# Altium PCB Board.PcbDoc (part 3 of 8) (continued)
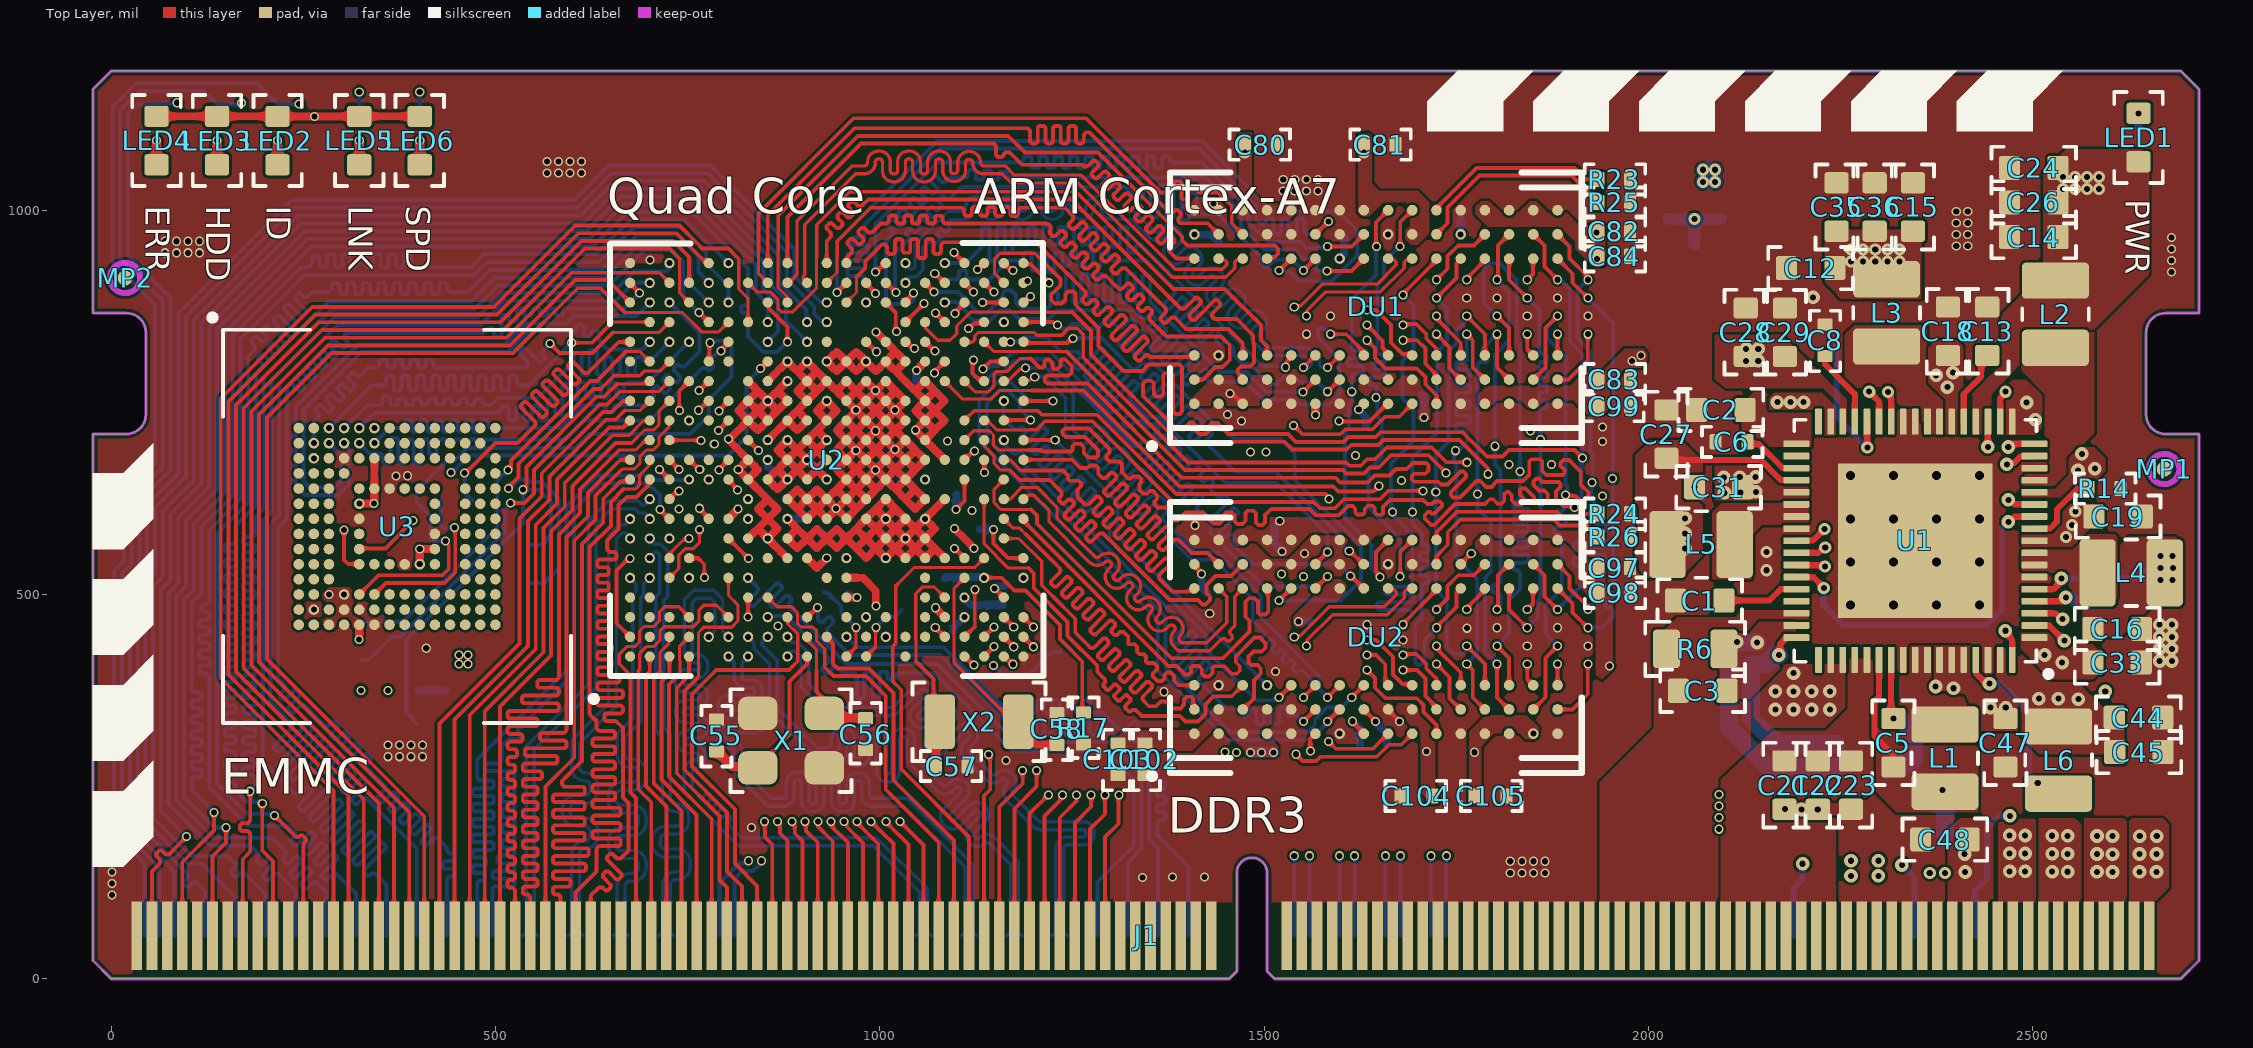
[diagram p0: Top Layer view]
## Nets (pads, with @x,y where several pads share a name; then routed paths per layer and width w, separated by ;. In a path a pad name is that pad's centre, name@x,y a point inside that pad or via, vN(x,y) a via of type N, cw(c..) or ccw(c..) an arc to the next point about the centre after c; other vN are vias at no path point) (continued)
  Bottom Layer w15.75: v2(2543.31,496.06) 2543.68,495.69 2550.77,495.69 2558.27,488.19 C20.1@2570.87,488.19
NetC53_2: C53.2 U2.H11 | length 13.9
  Bottom Layer w10: v1(854.33,675.2) 854.68,674.85 854.68,666.26 857.55,663.39 C53.2@858.27,663.39
NetC55_1: C55.1 U2.K1 X1.2 | length 233.3
  Top Layer w5: X1.2@846.48,281.28 882.6,317.41 882.6,386.54 905.51,409.45 U2.K1@905.51,419.29
  Top Layer w11.81: C55.1@787.4,297.68 787.4,296.91 808.33,275.98 813.38,275.98 813.54,275.82 840.99,275.82 X1.2@846.46,281.28
NetC56_1: C56.1 U2.K2 X1.1 | length 162.7
  Top Layer w4: U2.K2@905.51,444.88 905.51,440.28 917.7,428.09 917.7,401.19 917.54,401.03
  Top Layer w4.99: 917.54,373.8 917.54,401.03
  Top Layer w5: 917.54,373.8 928.47,362.87 X1.1@928.47,348.85
  Top Layer w11.81: X1.1@928.47,348.85 937.53,339.8 C56.1@981.71,339.8
NetC57_1: C57.1 U2.U4 X2.2 | length 280.3
  Top Layer w4: 1047.03,412.97 1047.03,439.66 1046.86,439.83 1046.86,501.11 1055.21,509.46 1071.25,509.46 U2.U4@1084.65,496.06
  Top Layer w5: 1047.03,412.97 1070,390 1070,342.45 X2.2@1078.03,334.42
  Top Layer w10: C57.1@1073.16,280.55 X2.2@1073.16,334.42
NetC58_1: C58.1 U2.V5 X2.1 | length 293.9
  Top Layer w4: 1098.06,409.81 1096.84,411.04 1096.84,508.26 U2.V5@1110.24,521.65
  Top Layer w5: 1098.06,409.81 X2.1@1173.54,334.34
  Top Layer w10: X2.1@1173.54,334.34 1203.46,304.42 C58.1@1230.43,304.42
NetC61_1: C61.1 C62.1 U2.V4 | length 55.8
  Bottom Layer w10: v1(1110.24,496.06) 1110.73,496.06 1110.58,495.92 1110.58,495.23 1110.73,495.08 1110.73,493.97 1118.89,485.81 1128.62,485.81 C61.1@1128.88,485.55 1129.86,486.53 1159.18,486.53 C62.1@1159.72,485.99
NetC63_1: C63.1 U2.Y4 | length 36
  Top Layer w5: v1(1149.42,507.86) 1149.52,507.86 1161.32,496.06 U2.Y4@1161.42,496.06
  Bottom Layer w10: v1@1150.23,508.68 v1(1149.42,507.86) 1149.91,507.86 1152.83,510.79 1162.13,510.79 C63.1@1165,513.66
NetC64_1: C64.1 R17.1 U2.W5 | length 302.4
  Top Layer w5: v1(1135.83,521.65) 1158.3,521.65 1174.96,505 1189.52,505 1234.41,460.11 1234.41,442.03 1263.54,412.9 R17.1@1263.54,346.34
  Bottom Layer w10: C64.1@1084.46,520.92 1086.17,522.62 1134.37,522.62 1135.34,521.65 v1(1135.83,521.65)
NetC71_2: C71.2 U3.C2
  other v1: 263.78,677.16
NetDU1_L8: DU1.L8 R25.2 | length 268.7
  Top Layer w5: DU1.L8@1724.41,968.5 1738.8,982.9 1738.8,1003.25 1780.55,1045 1900,1045 R25.2@1935,1010
NetDU1_L9: DU1.L9 R23.2 | length 241.3
  Top Layer w5: DU1.L9@1724.41,1000 1724.41,1003 1776.41,1055 1904.14,1055 1919.14,1040 R23.2@1935,1040
NetDU2_L8: DU2.L8 R26.2 | length 259.7
  Top Layer w5: DU2.L8@1724.41,539.37 1724.41,550 1739.14,564.73 1739.14,580.86 1755.85,597.56 1877.04,597.56 1885.01,589.59 1920.41,589.59 R26.2@1935,575
NetDU2_L9: DU2.L9 R24.2 | length 237.2
  Top Layer w5: DU2.L9@1724.41,570.87 1724.41,580.95 1751.02,607.56 1881.18,607.56 1889.15,599.59 1913.26,599.59 1918.66,605 R24.2@1935,605
NetL1_2: L1.2 U1.60 U1.61
NetL2_2: L2.2 U1.14
NetL3_2: L3.2 U1.24 U1.25
NetL4_2: L4.2 U1.7 U1.8
NetL5_2: L5.2 U1.40 U1.41
NetL6_2: L6.2 U1.65 | length 204.8
  Top Layer w7.87: U1.65@2426.18,414.96 2426.57,414.57 2426.57,397.05 2438.2,385.43 2442.45,385.43 v2(2443.96,383.92)
  Bottom Layer w7.87: v2(2443.96,383.92) 2459.13,383.92 2495,348.05 2495,266.57 v2(2506.67,254.89)
NetLED1_2: LED1.2 R1.1 | length 19.7
  Bottom Layer w11.81: R1.1@2637.8,1106.3 v3(2637.8,1125.98)
NetLED2_2: LED2.2 R3.1 | length 31.5
  Top Layer w11.81: LED2.2@216.54,1059.06 v1(216.54,1090.55)
NetLED3_2: LED3.2 R4.1 | length 31.5
  Top Layer w11.81: LED3.2@137.79,1059.06 v1(137.8,1090.55)
NetLED4_2: LED4.2 R8.1 | length 31.5
  Top Layer w11.81: LED4.2@59.05,1059.06 v1(59.06,1090.55)
NetLED5_2: LED5.2 R10.2 | length 31.5
  Top Layer w11.81: LED5.2@322.83,1059.06 v1(322.83,1090.55)
NetLED6_2: LED6.2 R12.2 | length 31.5
  Top Layer w11.81: LED6.2@401.57,1059.06 v1(401.57,1090.55)
NetQ1_3: Q1.3 U1.51 | length 275.1
  Top Layer w7.87: v2(2169.82,421.2) 2171.58,422.96 2171.58,435.55 2179.92,443.9 U1.51@2192.52,443.9
  Bottom Layer w23.62: v2(2169.82,421.2) 2165.67,421.2 2153.4,408.93 2133.77,408.93 2133.77,338.67 2167.32,305.12 Q1.3@2244.09,305.12
NetR5_1: R5.1 U1.45 U2.M1 | length 1639.7
  Top Layer w4: 968.63,431.23 968.89,431.48 v1@968.89,456.65
  Top Layer w5.04: U2.M1@956.69,419.29 968.63,431.23 ; v1@968.89,456.65 v1(969.34,457.11)
  Top Layer w7.87: U1.45@2192.52,538.39 2192.91,537.99 2228.2,537.99 v3(2229.67,536.52)
  Int3 (Sign) w5: v1(969.34,457.11) 994.98,431.48 1022.78,431.48 1025,433.69 1106.62,433.69 1133.68,460.76 1133.68,461.68 1143.24,471.24 1224.59,471.24 1440.24,255.59 1870.3,255.59 2094.71,480 2158.28,480 2214.81,536.52 v3(2229.67,536.52)
  Bottom Layer w5: R5.1@927.55,502.38 931.73,502.38 950,484.11 950,476.45 v1(969.34,457.11)
NetR7_1: R7.1 U1.44 U2.N1 | length 1596.4
  Top Layer w4: 994.75,431.76 v1@994.75,456.93
  Top Layer w5.04: U2.N1@982.28,419.29 994.75,431.76 ; v1@994.75,456.93 v1(994.94,457.11)
  Top Layer w7.87: U1.44@2192.52,554.13 2220.92,554.13 2228.11,561.32 v3(2230.24,561.32)
  Int3 (Sign) w5: 1866.15,265.61 2090.54,490 2154.14,490 2225.46,561.32 v3(2230.24,561.32)
  Int3 (Sign) w5.04: v1(994.94,457.11) 996.13,458.31 1013.43,458.31 1028.03,443.71 1101.55,443.71 1114.88,457.05 1115.8,457.05 1123.66,464.91 1123.66,465.83 1139.09,481.26 1228.74,481.26 1444.39,265.61 1866.15,265.61
  Bottom Layer w5.04: v1(994.94,457.11) 1008.73,470.9 1019.79,470.9 R7.1@1028.53,479.64
NetR9_1: R9.1 U1.29 U2.P2 | length 1886.3
  Top Layer w7.87: v3(2287.4,763.78) 2300.2,750.99 U1.29@2300.2,724.8 U1.29@2300.59,724.41
  Int2 (Sign) w5: v1(1007.87,444.88) 1057.76,395 1135.34,395 v1(1148.15,407.82)
  Int3 (Sign) w5: v1(1148.15,407.82) 1160.16,395.81 1285.88,395.81 1436.1,245.59 1874.44,245.59 2098.85,470 2162.43,470 2182.43,490 2231.77,490 2251.24,509.47 2269.47,509.47 2290,530 2290,660 2300.28,670.28 2300.28,750.9 v3(2287.4,763.78)
  Bottom Layer w5: v1(1148.15,407.82) 1161.53,394.44 1193.1,394.44 1223.66,425 R9.1@1235,425
NetR14_2: R14.2 U1.10 | length 101.5
  Top Layer w7.87: U1.10@2502.36,585.63 2522.64,585.63 2531.5,594.49 2531.5,610.54 2558.75,637.8 R14.2@2572.83,637.8
NetR15_1: R15.1 U2.AA6 | length 83.8
  Top Layer w5: v1(1148.07,584.58) 1147.86,584.37 1147.86,566.11 1166.72,547.24 U2.AA6@1187.01,547.24
  Bottom Layer w10: R15.1@1130,585 1130.21,584.79 1147.86,584.79 v1(1148.07,584.58)
NetR16_1: R16.1 U2.AA5
  other v1: 1187.01,521.65
NetR19_1: R19.1 U2.A17 | length 601
  Top Layer w5: v1(460.01,658.03) 461.18,658.03 500,696.85 528.75,696.85 548.91,717.01 550.68,718.78 ccw(c547.15,722.31) 550.68,725.85 534.17,742.36 cw(c536.64,744.84) 534.17,747.31 536.29,749.44 cw(c538.76,746.96) 541.24,749.44 558.81,731.86 ccw(c561.29,734.34) 563.76,731.86 565.89,733.98 ccw(c563.41,736.46) 565.89,738.93 548.31,756.51 cw(c550.79,758.98) 548.31,761.46 550.43,763.58 cw(c552.91,761.1) 555.38,763.58 572.96,746 ccw(c575.43,748.48) 577.91,746 580.03,748.12 ccw(c577.55,750.6) 580.03,753.07 562.45,770.65 cw(c564.93,773.12) 562.45,775.6 564.57,777.72 cw(c567.05,775.25) 569.52,777.72 587.1,760.14 ccw(c589.57,762.62) 592.05,760.15 594.17,762.27 ccw(c591.69,764.74) 594.17,767.22 576.59,784.79 cw(c579.07,787.27) 576.59,789.74 578.72,791.86 cw(c581.19,789.39) 583.67,791.86 601.24,774.29 ccw(c603.72,776.76) 606.19,774.29 608.31,776.41 ccw(c605.84,778.88) 608.31,781.36 595.15,794.52 cw(c597.62,797) 595.15,799.47 597.27,801.59 cw(c599.74,799.12) 602.22,801.59 614.32,789.49 ccw(c617.86,793.03) 621.39,789.49 636.6,804.69 660.43,828.52 674.98,828.52 U2.A17@675.2,828.74
  Bottom Layer w5: v1(460.01,658.03) 460.01,632.51 R19.1@470.47,622.05
NetR19_2: R19.2 U3.M6 | length 227.3
  Top Layer w5: U3.M6@342.52,500 357.52,515 434,515 447.74,528.74 447.74,585.96 v1(446.63,587.07)
  Bottom Layer w5: R19.2@429.13,622.05 428.96,621.87 428.96,589.76 431.88,586.83 446.38,586.83 v1(446.63,587.07)
NetR21_1: R21.1 U3.A6 | length 449.7
  Int2 (Sign) w5: v1(325,375) 240.5,459.5 240.5,519.5 276,555 276,636.02 317.48,677.5 347,677.5 358,688.5 358.58,688.5 358.58,700.47 v1(342.52,716.53)
NetR22_1: R22.1 U3.J5 | length 462.2
  Top Layer w5: U3.J5@322.83,559.05 323.78,560 357,560 v1(393,596)
  Int2 (Sign) w5: v1(360,375) 339,396 317,396 249,464 249,515.5 302.25,568.75 365.75,568.75 v1(393,596)
NetR27_2: R27.2 U2.V10 | length 63.7
  Top Layer w5: v1(1099.5,610.54) 1110.24,621.27 U2.V10@1110.24,649.61
  Bottom Layer w10: v1(1099.5,610.54) 1100,611.04 R27.2@1100,630.51
NetU1_28: U1.28 U2.T10 | length 1974.4
  Top Layer w7.87: v3(2311.62,763.6) 2311.62,761.47 2315.94,757.15 U1.28@2315.94,724.8
  Int2 (Sign) w15: v1(1059.06,649.61) 1068.66,640 1210,640 1310,740 1310,950 1465,1105 2265,1105 2369.05,1000.95 2369.05,821.03 v3(2311.62,763.6)
NTC: J1.228 R2.2 U1.30 | length 889.8
  Top Layer w7.87: U1.30@2284.45,724.8 2284.84,724.41 2284.84,710.66 2284.84,691.04 v3(2284.91,690.97)
  Int4 (PWR) w7.87: v3(2284.91,690.97) 2324.03,690.97 2345,670 2345,380.77 2356.44,369.33 2356.44,256.44 2329.99,229.99 v2(2329.99,148.05)
  Bottom Layer w7.87: R2.2@2245,824.91 2245,730.88 v3(2284.91,690.97) ; v2(2329.99,148.05) 2329.99,147.58 2346.46,131.11 J1.228@2346.46,55.98
PA4: J1.81 U2.F5 | length 551.7
  Top Layer w4: 764,392.47 764.16,392.63 764.16,450.44 771.1,457.38 807.3,457.38 815.34,465.42 815.34,486.49 803.15,498.68 U2.F5@803.15,521.65
  Top Layer w5: 764,392.47 745.91,374.38 745.91,271.97 801.5,216.38 801.5,139.75 820.87,120.38 J1.81@820.87,55.98
PA17: J1.49 U2.C14 | length 806.5
  Top Layer w4: 677.19,697.22 693.97,714 705.88,714 713.09,721.21 713.09,738.68 U2.C14@726.38,751.97
  Top Layer w5: J1.49@505.91,55.98 505.91,354.06 572.5,420.66 572.5,582.27 600.24,610 600.24,641.05 656.41,697.22 677.19,697.22
PE14: J1.115 U2.C6 | length 1024
  Top Layer w4: U2.C6@726.38,547.24 726.38,552.73 746.48,572.83 v1(751.97,572.83)
  Top Layer w5: J1.115@1155.51,55.98 1155.51,223.57 1186.02,254.07 v1(1186.02,271.04)
  Int2 (Sign) w5: v1(751.97,572.83) 751.97,554.75 728.35,531.13 728.35,516.11 692.91,480.68 692.91,397.07 758.96,331.02 1007.79,331.02 1024.07,314.74 1161.63,314.74 1186.02,290.36 v1(1186.02,271.04)
PE15: J1.117 U2.C5 | length 1102.6
  Top Layer w4: U2.C5@726.38,521.65 738.57,533.85 738.57,551.09 746.92,559.44 757.02,559.44 ; 757.03,559.43 757.52,559.43 765.37,567.28 v1@765.37,584.64
  Top Layer w5: J1.117@1175.2,55.98 1175.2,221.23 1204.18,250.22 v1(1204.18,270.7)
  Int2 (Sign) w5: v1(765.52,584.64) 777.56,572.59 777.56,553.15 759.47,535.06 746.42,535.06 738.35,526.99 738.35,511.97 704.09,477.72 704.09,400.03 763.1,341.02 1011.93,341.02 1028.21,324.74 1165.78,324.74 1204.18,286.34 v1(1204.18,270.7)
PF6: J1.27 U2.G18 | length 1632.3
  Top Layer w4: 814.54,938.67 816.55,936.66 816.55,897.46 828.74,885.27 U2.G18@828.74,854.33
  Top Layer w5: J1.27@289.37,55.98 289.37,244.61 142.6,391.38 142.6,755.01 261.66,874.07 497.88,874.07 603.81,980 739.59,980 761.99,957.61 769.59,950 803.21,950 814.54,938.67
PG11: J1.77 U2.D2 | length 422.9
  Top Layer w4: 739.94,396.7 739.94,414.07 739.78,414.24 739.78,432.69 U2.D2@751.97,444.88
  Top Layer w5: 739.94,396.7 725.91,382.66 725.91,263.16 781.5,207.57 J1.77@781.5,55.98
PG12: J1.79 U2.D1 | length 397
  Top Layer w5: U2.D1@751.97,419.29 751.97,394.58 735.91,378.52 735.91,267.31 791.5,211.72 791.5,128.3 801.18,118.62 J1.79@801.18,55.98
PG13: J1.71 U2.B1 | length 376.3
  Top Layer w5: U2.B1@700.79,419.29 700.79,399.97 695.91,395.09 695.91,250.74 722.44,224.2 J1.71@722.44,55.98
PWR_KEY: J1.236 U1.12 | length 645
  Top Layer w7.87: v2(2468.5,623.11) 2470.63,623.11 2476.62,617.13 U1.12@2502.36,617.13
  Int4 (PWR) w7.87: v2(2468.5,623.11) 2486.3,605.32 2486.3,227.66 v2(2470.47,211.84)
  Bottom Layer w7.87: J1.236@2425.2,55.98 2425.08,56.1 2425.08,114.23 2440.86,130.01 2440.86,197.25 2455.45,211.84 v2(2470.47,211.84)
PWR_OK: J1.212 U1.43 U2.V6 | length 2122.3
  Top Layer w5: v1@1097.74,559.74 U2.V6@1110.24,547.24
  Top Layer w7.87: U1.43@2192.52,569.88 2192.91,570.28 2214.49,570.28 v3(2229.49,585.27)
  Int3 (Sign) w5: v1(1097.45,559.74) 1122.14,535.06 1149.94,535.06 1193.72,491.28 1232.89,491.28 1448.54,275.63 1862.03,275.63 2086.4,500 2150,500 2204.3,554.3 2204.3,562.33 2227.24,585.27 v3(2229.49,585.27)
  Int4 (PWR) w5: v2(2200.79,149.61) 2221.18,170 2253.83,170 2345,261.17 2345,364.59 2333.56,376.03 2333.56,436.44 2290,480 2290,555 2270,575 2239.76,575 v3(2229.49,585.27)
  Bottom Layer w7.87: J1.212@2188.98,55.98 2188.98,118.11 2200.79,129.92 v2(2200.79,149.61)
RGMII_CLKIN: J1.18 U2.K18 | length 1907.1
  Bottom Layer w4.99: J1.18@200.79,55.98 200.79,110.24 176.11,134.92 174.34,136.68 ccw(c170.81,133.15) 167.29,136.68 164.55,133.94 cw(c162.07,136.41) 159.6,133.94 157.48,136.06 cw(c159.95,138.53) 157.48,141 160.22,143.74 ccw(c156.69,147.27) 160.22,150.8 151.43,159.6 104.47,159.6 54.55,209.52 54.55,510.33 67.1,522.88 67.1,608.58 107.66,649.14 107.66,857.8 243.01,993.16 610.66,993.16 655.48,1037.97 771.75,1037.97 869.14,940.57 869.14,905.99 904.87,870.26 904.87,854.97 v1(905.51,854.33)
RGMII_MDC: J1.14 U2.L18 | length 1903.4
  Bottom Layer w4.99: J1.14@161.42,55.98 161.42,106.52 118.33,149.61 100.33,149.61 44.56,205.38 44.56,514.62 57,527.06 57,612.76 97.56,653.33 97.56,861.99 238.83,1003.26 606.64,1003.26 651.34,1047.96 775.89,1047.96 879.24,944.6 879.24,910.18 914.86,874.55 914.86,865.12 924.35,855.64 929.8,855.64 v1(931.1,854.33)
RGMII_MDIO: J1.10 U2.L19 | length 1904.9
  Bottom Layer w4.99: J1.10@122.05,55.98 122.05,113.76 113.97,121.84 112.2,123.61 ccw(c108.67,120.08) 105.15,123.61 102.26,120.72 cw(c99.79,123.19) 97.31,120.72 95.2,122.84 cw(c97.67,125.31) 95.2,127.78 98.08,130.67 ccw(c94.55,134.2) 98.08,137.73 89.59,146.22 34.57,201.24 34.57,518.91 46.9,531.24 46.9,616.94 87.46,657.51 87.46,866.17 234.65,1013.36 602.61,1013.36 647.2,1057.95 780.02,1057.95 889.34,948.63 889.34,914.36 923.78,879.92 v1(931.1,879.92) v1@932.39,881.21
RGMII_RX0: J1.26 U2.H18 | length 1911.7
  Bottom Layer w4.99: J1.26@279.53,55.98 279.53,112.71 270.15,122.09 268.38,123.86 ccw(c264.85,120.33) 261.32,123.86 255.44,117.97 cw(c252.96,120.44) 250.49,117.97 248.37,120.09 cw(c250.84,122.56) 248.37,125.03 259.9,136.56 ccw(c257.43,139.04) 259.9,141.51 257.78,143.63 ccw(c255.31,141.15) 252.84,143.63 241.31,132.1 cw(c238.84,134.57) 236.36,132.1 234.24,134.21 cw(c236.72,136.69) 234.24,139.16 245.78,150.69 ccw(c243.3,153.16) 245.78,155.64 243.66,157.75 ccw(c241.18,155.28) 238.71,157.75 232.15,151.19 cw(c229.68,153.66) 227.2,151.19 225.09,153.31 cw(c227.56,155.78) 225.09,158.26 226,159.18 ccw(c222.48,162.7) 226,166.23 214.55,177.68 208.84,183.39 132.93,183.39 84.74,231.59 84.74,497.67 97.4,510.32 97.4,596.03 137.96,636.59 137.96,845.25 255.56,962.86 622.75,962.86 667.89,1008 759.33,1008 838.84,928.49 838.84,893.44 854.33,877.95 v1(854.33,854.33)
RGMII_RX1: J1.38 U2.B20 | length 1925
  Bottom Layer w4.99: J1.38@397.64,55.98 397.64,169.29 335.08,231.85 333.31,233.62 ccw(c329.79,230.09) 326.26,233.62 320.94,228.3 cw(c318.47,230.77) 316,228.3 313.88,230.42 cw(c316.35,232.89) 313.88,235.36 331.02,252.5 ccw(c328.54,254.97) 331.02,257.45 328.9,259.57 ccw(c326.42,257.09) 323.95,259.57 306.81,242.43 cw(c304.34,244.9) 301.87,242.43 299.75,244.55 cw(c302.22,247.02) 299.75,249.49 316.91,266.65 ccw(c314.43,269.12) 316.91,271.59 314.79,273.71 ccw(c312.31,271.24) 309.84,273.71 292.69,256.56 cw(c290.21,259.03) 287.74,256.56 285.62,258.68 cw(c288.09,261.15) 285.62,263.62 302.79,280.79 ccw(c300.32,283.26) 302.79,285.74 300.67,287.86 ccw(c298.2,285.38) 295.73,287.86 266.21,258.33 cw(c263.74,260.81) 261.26,258.33 259.14,260.45 cw(c261.62,262.93) 259.14,265.4 288.68,294.94 ccw(c286.21,297.41) 288.68,299.88 286.56,302 ccw(c284.09,299.53) 281.62,302 239.5,259.88 cw(c237.03,262.36) 234.56,259.88 232.44,262 cw(c234.91,264.48) 232.44,266.95 274.57,309.08 ccw(c272.1,311.55) 274.57,314.03 272.45,316.15 ccw(c269.98,313.67) 267.51,316.15 225.38,274.01 cw(c222.9,276.49) 220.43,274.01 218.31,276.13 cw(c220.78,278.6) 218.31,281.08 260.46,323.23 ccw(c257.99,325.7) 260.46,328.17 258.34,330.29 ccw(c255.87,327.82) 253.4,330.29 219.73,296.62 cw(c217.26,299.1) 214.78,296.62 212.67,298.74 cw(c215.14,301.22) 212.67,303.69 234.43,325.45 ccw(c230.9,328.98) 234.43,332.5 217.13,349.8 207.56,359.36 207.56,591.93 218.76,603.12 218.76,774.58 294.87,850.69 480.62,850.69 512.11,882.19 656.66,882.19 680.15,905.68 700.62,905.68 v1(700.79,905.51)
RGMII_RX2: J1.22 U2.H17 | length 1909.5
  Bottom Layer w4.99: J1.22@240.16,55.98 240.16,114.17 220.48,133.85 218.72,135.61 ccw(c215.19,132.09) 211.66,135.61 205.53,129.48 cw(c203.06,131.95) 200.58,129.48 198.46,131.6 cw(c200.94,134.07) 198.46,136.55 210.36,148.44 ccw(c207.89,150.92) 210.36,153.39 208.24,155.51 ccw(c205.77,153.03) 203.3,155.51 197.53,149.74 cw(c195.06,152.21) 192.59,149.74 190.47,151.86 cw(c192.94,154.33) 190.47,156.8 ccw(c186.94,160.33) 190.47,163.86 181.04,173.29 155.04,173.29 128.75,173.29 74.64,227.41 74.64,501.85 87.3,514.51 87.3,600.21 127.86,640.78 127.86,849.44 251.38,972.96 618.72,972.96 663.75,1017.99 763.47,1017.99 848.94,932.52 848.94,897.63 867.79,878.78 867.79,842.2 v1(854.33,828.74)
RGMII_RX3: J1.34 U2.C21 | length 1926.4
  Bottom Layer w4.99: J1.34@358.27,55.98 358.27,122.05 346.46,133.86 344.69,135.62 ccw(c341.16,132.09) 337.64,135.62 336.87,134.86 cw(c334.4,137.33) 331.93,134.86 329.81,136.98 cw(c332.28,139.45) 329.81,141.92 356.55,168.67 ccw(c354.08,171.14) 356.55,173.62 354.44,175.73 ccw(c351.96,173.26) 349.49,175.73 322.74,148.99 cw(c320.27,151.46) 317.8,148.99 315.68,151.11 cw(c318.15,153.58) 315.68,156.05 342.43,182.8 ccw(c339.95,185.27) 342.43,187.74 340.31,189.86 ccw(c337.84,187.39) 335.36,189.86 308.62,163.12 cw(c306.14,165.59) 303.67,163.12 301.55,165.23 cw(c304.02,167.71) 301.55,170.18 328.3,196.93 ccw(c325.83,199.4) 328.3,201.87 326.18,203.99 ccw(c323.71,201.52) 321.23,203.99 294.49,177.24 cw(c292.02,179.72) 289.54,177.24 287.42,179.36 cw(c289.9,181.84) 287.42,184.31 314.17,211.05 ccw(c311.7,213.53) 314.17,216 312.05,218.12 ccw(c309.58,215.65) 307.11,218.12 280.36,191.37 cw(c277.89,193.84) 275.41,191.37 273.3,193.49 cw(c275.77,195.96) 273.3,198.44 300.04,225.18 ccw(c297.57,227.65) 300.04,230.13 297.92,232.25 ccw(c295.45,229.77) 292.98,232.25 266.23,205.5 cw(c263.76,207.97) 261.29,205.5 259.17,207.62 cw(c261.64,210.09) 259.17,212.56 285.91,239.31 ccw(c283.44,241.78) 285.91,244.26 283.8,246.37 ccw(c281.32,243.9) 278.85,246.37 252.1,219.63 cw(c249.63,222.1) 247.16,219.63 245.04,221.75 cw(c247.51,224.22) 245.04,226.69 259.44,241.09 ccw(c256.96,243.56) 259.44,246.03 257.32,248.15 ccw(c254.84,245.68) 252.37,248.15 245.8,241.58 cw(c242.27,245.1) 238.74,241.58 197.46,282.85 197.46,287.23 197.46,596.11 208.66,607.31 208.66,778.61 290.91,860.86 476.5,860.86 507.82,892.18 652.37,892.18 680.52,920.33 722.43,920.33 728.12,926.02 728.12,927.55 726.38,929.29 v1(726.38,931.1)
RGMII_RXCK: J1.42 U2.A20 | length 1949.1
  Top Layer w4.99: U2.A20@675.2,905.51 675.2,904.9 687.26,892.84 v1(687.26,892.23)
  Bottom Layer w4.99: J1.42@437.01,55.98 437.01,113.24 437.01,128.04 cw(c442,128.04) 442,133.03 444.67,133.03 ccw(c444.67,136.03) 447.67,136.03 447.67,140.03 ccw(c444.67,140.03) 444.67,143.02 434.55,143.02 cw(c434.55,146.02) 431.55,146.02 431.55,150.02 cw(c434.55,150.02) 434.55,153.01 444.67,153.01 ccw(c444.67,156.01) 447.67,156.01 447.67,160.01 ccw(c444.67,160.01) 444.67,163 442,163 cw(c442,167.99) 437.01,167.99 437.01,170.49 427.53,179.97 425.76,181.73 ccw(c422.24,178.2) 418.71,181.73 411.49,174.51 cw(c409.02,176.99) 406.54,174.51 404.42,176.63 cw(c406.9,179.11) 404.42,181.58 415.03,192.19 ccw(c412.56,194.66) 415.03,197.13 412.91,199.25 ccw(c410.44,196.78) 407.97,199.25 397.36,188.64 cw(c394.89,191.11) 392.42,188.64 390.3,190.76 cw(c392.77,193.23) 390.3,195.71 400.9,206.32 ccw(c398.43,208.79) 400.9,211.26 398.79,213.38 ccw(c396.31,210.91) 393.84,213.38 383.23,202.77 cw(c380.76,205.24) 378.29,202.77 376.17,204.89 cw(c378.64,207.36) 376.17,209.83 386.78,220.44 ccw(c384.3,222.92) 386.78,225.39 384.66,227.51 ccw(c382.19,225.03) 379.71,227.51 369.1,216.9 cw(c366.63,219.37) 364.16,216.9 362.04,219.02 cw(c364.51,221.49) 362.04,223.96 372.65,234.57 ccw(c370.18,237.04) 372.65,239.52 370.53,241.64 ccw(c368.06,239.16) 365.58,241.64 354.98,231.03 cw(c352.5,233.5) 350.03,231.03 347.91,233.15 cw(c350.38,235.62) 347.91,238.09 355.13,245.31 ccw(c351.6,248.84) 355.13,252.37 349.78,257.72 342.31,265.19 333.65,273.85 cw(c337.18,277.38) 333.65,280.91 337.16,284.42 ccw(c335.04,286.54) 337.16,288.66 334.33,291.48 ccw(c332.22,289.36) 330.1,291.48 322.72,284.11 cw(c320.6,286.22) 318.48,284.11 315.66,286.93 cw(c317.78,289.05) 315.66,291.17 323.03,298.54 ccw(c320.91,300.66) 323.03,302.78 320.21,305.61 ccw(c318.09,303.49) 315.97,305.61 308.61,298.25 cw(c306.49,300.37) 304.37,298.25 301.54,301.07 cw(c303.66,303.19) 301.54,305.31 308.9,312.67 ccw(c306.79,314.79) 308.9,316.91 306.08,319.74 ccw(c303.96,317.62) 301.84,319.74 294.5,312.39 cw(c292.38,314.51) 290.26,312.39 287.43,315.22 cw(c289.55,317.34) 287.43,319.46 294.78,326.8 ccw(c292.66,328.92) 294.78,331.04 291.95,333.86 ccw(c289.83,331.75) 287.71,333.86 284.2,330.35 cw(c280.67,333.88) 277.14,330.35 275.38,332.12 254.73,352.77 252.97,354.53 ccw(c249.44,351) 245.91,354.53 238.69,347.31 cw(c236.22,349.78) 233.74,347.31 231.63,349.43 cw(c234.1,351.9) 231.63,354.38 244.8,367.55 ccw(c242.33,370.03) 244.8,372.5 242.68,374.62 ccw(c240.21,372.14) 237.74,374.62 227.09,363.97 cw(c224.62,366.44) 222.15,363.97 220.03,366.09 cw(c222.5,368.56) 220.03,371.03 224.72,375.72 ccw(c221.19,379.25) 224.72,382.78 217.71,389.79 217.55,389.94 217.55,587.79 228.86,599.1 228.86,760.24 228.86,770.56 230.07,771.76 cw(c233.59,768.23) 237.12,771.76 243.38,765.5 ccw(c245.5,767.62) 247.62,765.5 250.45,768.33 ccw(c248.33,770.44) 250.45,772.56 242.78,780.23 cw(c244.9,782.35) 242.78,784.47 245.6,787.3 cw(c247.72,785.18) 249.84,787.3 257.51,779.63 ccw(c259.63,781.75) 261.75,779.63 264.57,782.45 ccw(c262.46,784.57) 264.57,786.69 256.91,794.36 cw(c259.02,796.48) 256.91,798.6 259.73,801.42 cw(c261.85,799.31) 263.97,801.42 271.64,793.76 ccw(c273.76,795.87) 275.88,793.76 278.7,796.58 ccw(c276.58,798.7) 278.7,800.82 271.03,808.49 cw(c273.15,810.61) 271.03,812.73 273.86,815.55 cw(c275.98,813.43) 278.1,815.55 285.77,807.88 ccw(c287.89,810) 290,807.88 292.83,810.71 ccw(c290.71,812.83) 292.83,814.95 285.16,822.62 cw(c287.28,824.74) 285.16,826.86 287.99,829.68 cw(c290.11,827.56) 292.23,829.68 299.89,822.01 ccw(c302.01,824.13) 304.13,822.01 306.96,824.84 ccw(c304.84,826.96) 306.96,829.08 304.59,831.45 cw(c308.11,834.98) 308.11,839.97 316.7,839.97 484.02,839.97 489.48,845.43 cw(c493.01,841.9) 498,841.9 498,838.48 ccw(c501,838.48) 501,835.48 504.99,835.48 ccw(c504.99,838.48) 507.99,838.48 507.99,860.94 cw(c510.99,860.94) 510.99,863.94 514.98,863.94 cw(c514.98,860.94) 517.98,860.94 517.98,858.46 ccw(c520.98,858.46) 520.98,855.46 524.97,855.46 ccw(c524.97,858.46) 527.97,858.46 527.97,869.2 cw(c530.97,869.2) 530.97,872.2 534.96,872.2 cw(c534.96,869.2) 537.96,869.2 537.96,865.51 ccw(c540.96,865.51) 540.96,862.51 544.95,862.51 ccw(c544.95,865.51) 547.95,865.51 547.95,869.2 cw(c550.95,869.2) 550.95,872.2 554.94,872.2 cw(c554.94,869.2) 557.94,869.2 557.94,865.51 ccw(c560.94,865.51) 560.94,862.51 564.93,862.51 ccw(c564.93,865.51) 567.93,865.51 567.93,869.2 cw(c570.93,869.2) 570.93,872.2 574.92,872.2 cw(c574.92,869.2) 577.92,869.2 577.92,865.51 ccw(c580.92,865.51) 580.92,862.51 584.91,862.51 ccw(c584.91,865.51) 587.91,865.51 587.91,867.21 cw(c592.9,867.21) 592.9,872.2 601.72,872.2 667.24,872.2 v1(687.26,892.23)
RGMII_RXCTL: J1.30 U2.F19 | length 1923.7
  Bottom Layer w4.99: J1.30@318.9,55.98 318.9,110.69 296.34,133.25 294.57,135.02 ccw(c291.05,131.49) 287.52,135.02 281.9,129.4 cw(c279.43,131.88) 276.96,129.41 274.84,131.52 cw(c277.31,134) 274.84,136.47 293.04,154.67 ccw(c290.57,157.14) 293.04,159.62 290.92,161.73 ccw(c288.45,159.26) 285.98,161.73 272.36,148.12 cw(c269.89,150.59) 267.42,148.12 265.3,150.24 cw(c267.77,152.71) 265.3,155.18 278.91,168.8 ccw(c276.44,171.27) 278.91,173.74 276.8,175.86 ccw(c274.32,173.39) 271.85,175.86 258.24,162.25 cw(c255.76,164.72) 253.29,162.25 251.17,164.37 cw(c253.64,166.84) 251.17,169.31 264.79,182.93 ccw(c262.31,185.4) 264.79,187.87 262.67,189.99 ccw(c260.19,187.52) 257.72,189.99 242.09,174.35 cw(c239.61,176.83) 237.14,174.35 235.02,176.47 cw(c237.49,178.95) 235.02,181.42 238.07,184.46 ccw(c234.54,187.99) 238.07,191.52 230.62,198.97 192.76,198.97 178.28,198.97 127.7,249.55 127.7,389.94 127.7,392.44 ccw(c122.71,392.44) 122.71,397.43 118.42,397.43 cw(c118.42,400.93) 114.93,400.93 114.93,403.92 cw(c118.42,403.92) 118.42,407.42 124.31,407.42 ccw(c124.31,410.92) 127.81,410.92 127.81,413.91 ccw(c124.31,413.91) 124.31,417.41 118.42,417.41 cw(c118.42,420.91) 114.93,420.91 114.93,423.9 cw(c118.42,423.9) 118.42,427.4 124.31,427.4 ccw(c124.31,430.9) 127.81,430.9 127.81,433.89 ccw(c124.31,433.89) 124.31,437.39 118.42,437.39 cw(c118.42,440.89) 114.93,440.89 114.93,443.88 cw(c118.42,443.88) 118.42,447.38 124.31,447.38 ccw(c124.31,450.88) 127.81,450.88 127.81,453.87 ccw(c124.31,453.87) 124.31,457.37 118.42,457.37 cw(c118.42,460.87) 114.93,460.87 114.93,463.86 cw(c118.42,463.86) 118.42,467.36 124.31,467.36 ccw(c124.31,470.86) 127.81,470.86 127.81,473.85 ccw(c124.31,473.85) 124.31,477.35 120.6,477.35 cw(c120.6,480.85) 117.1,480.85 117.1,483.84 cw(c120.6,483.84) 120.6,487.34 122.71,487.34 ccw(c122.71,492.33) 127.7,492.33 127.7,500.51 127.7,583.48 168.26,624.04 168.26,832.7 248.94,913.39 251.17,915.61 472.19,915.61 488.72,932.14 634.42,932.14 680.3,978.03 740.79,978.03 774.39,944.42 774.39,930.33 803.15,901.57 v1(803.15,879.92)